# Altium PCB ha_light_switch.PcbDoc
Units mm, origin at the board's own origin, x right, y up, seen from the top; angles counter-clockwise.
Board outline 70.2 x 45.2 mm, 4 copper layers (Top Layer, Int1 (GND), Int2 (PWR), Bottom Layer), stack 1.585 mm thick; 44 components, 33 nets, 188 pads, 32 vias.
Unrouted connection lines stored in the file: 80.
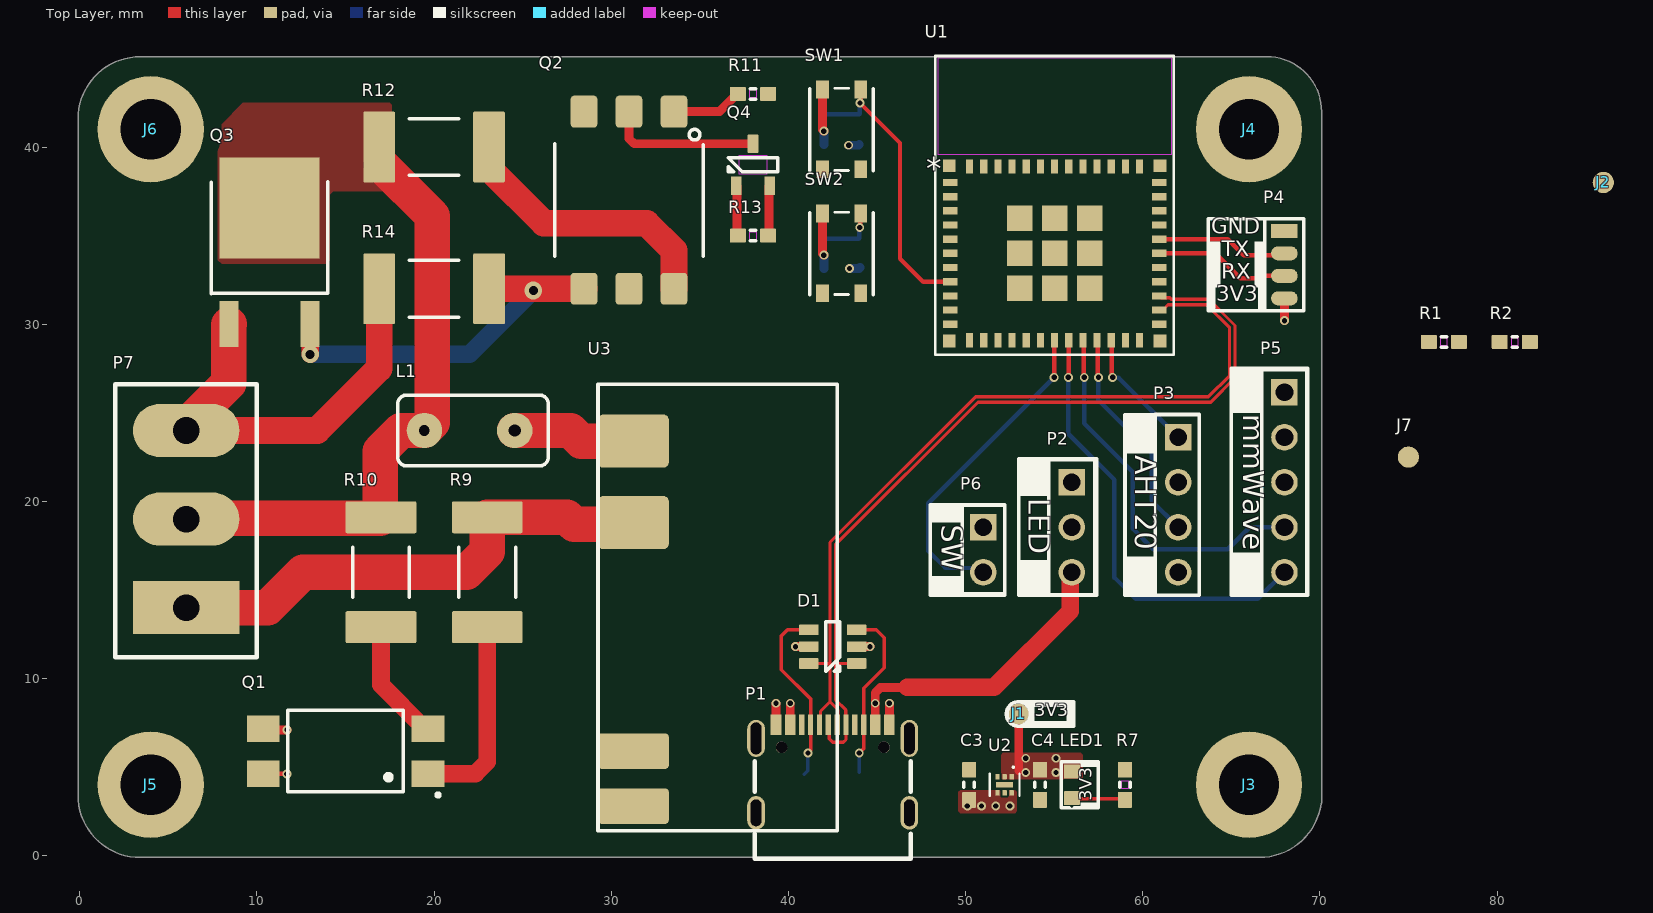
[diagram p0: Top Layer view]
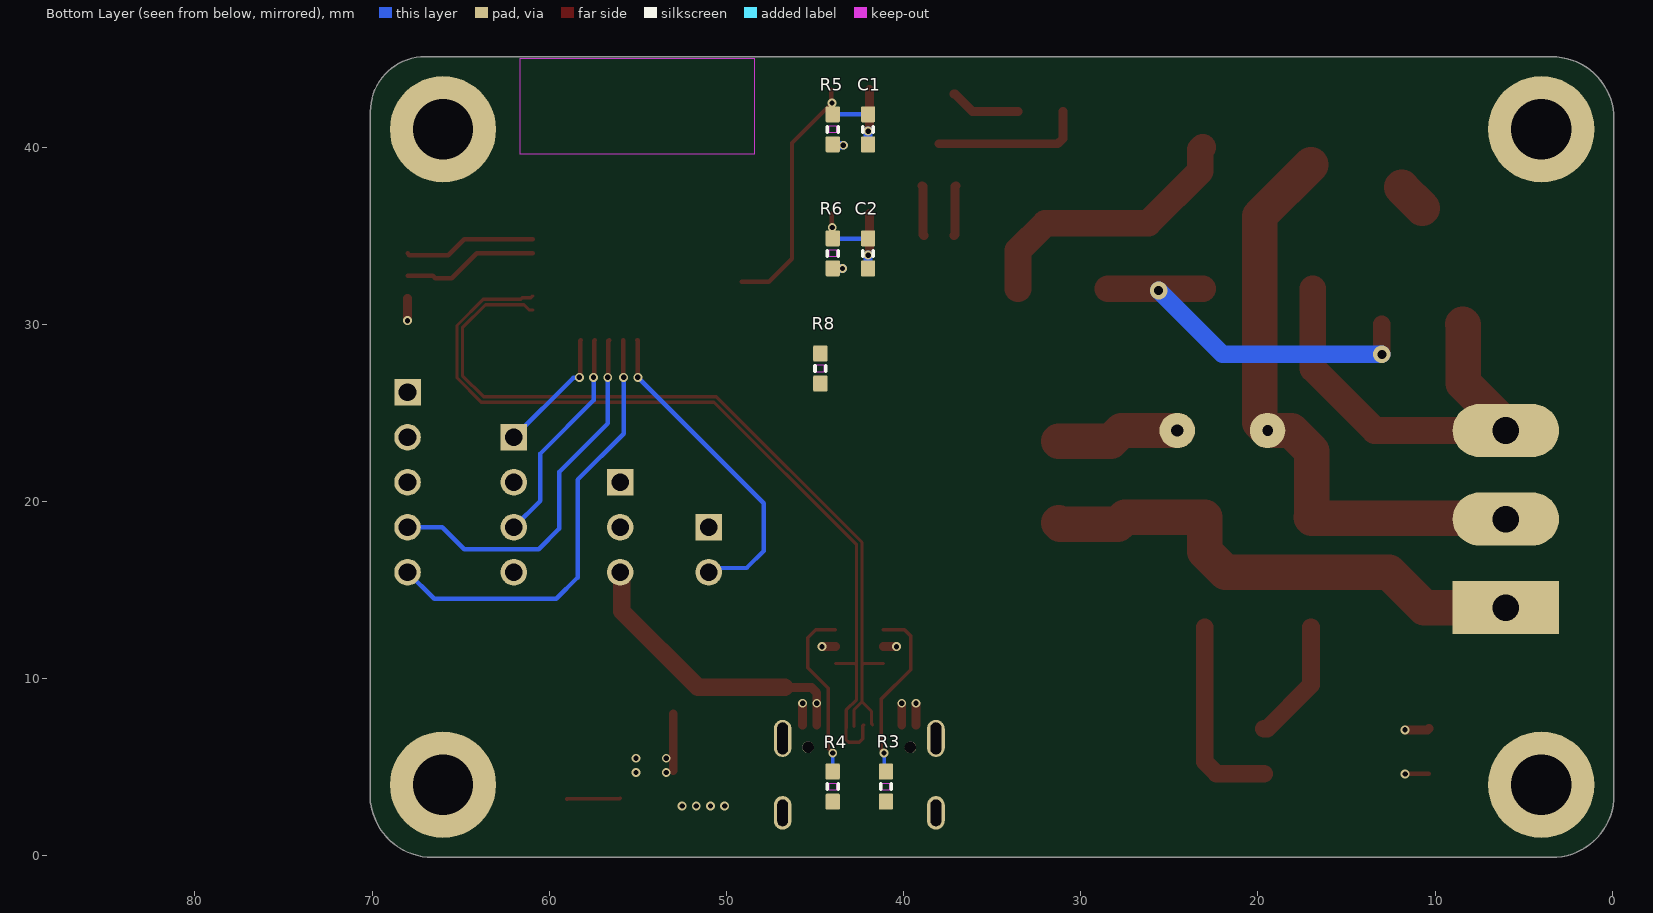
[diagram p1: Bottom Layer view, seen from below]
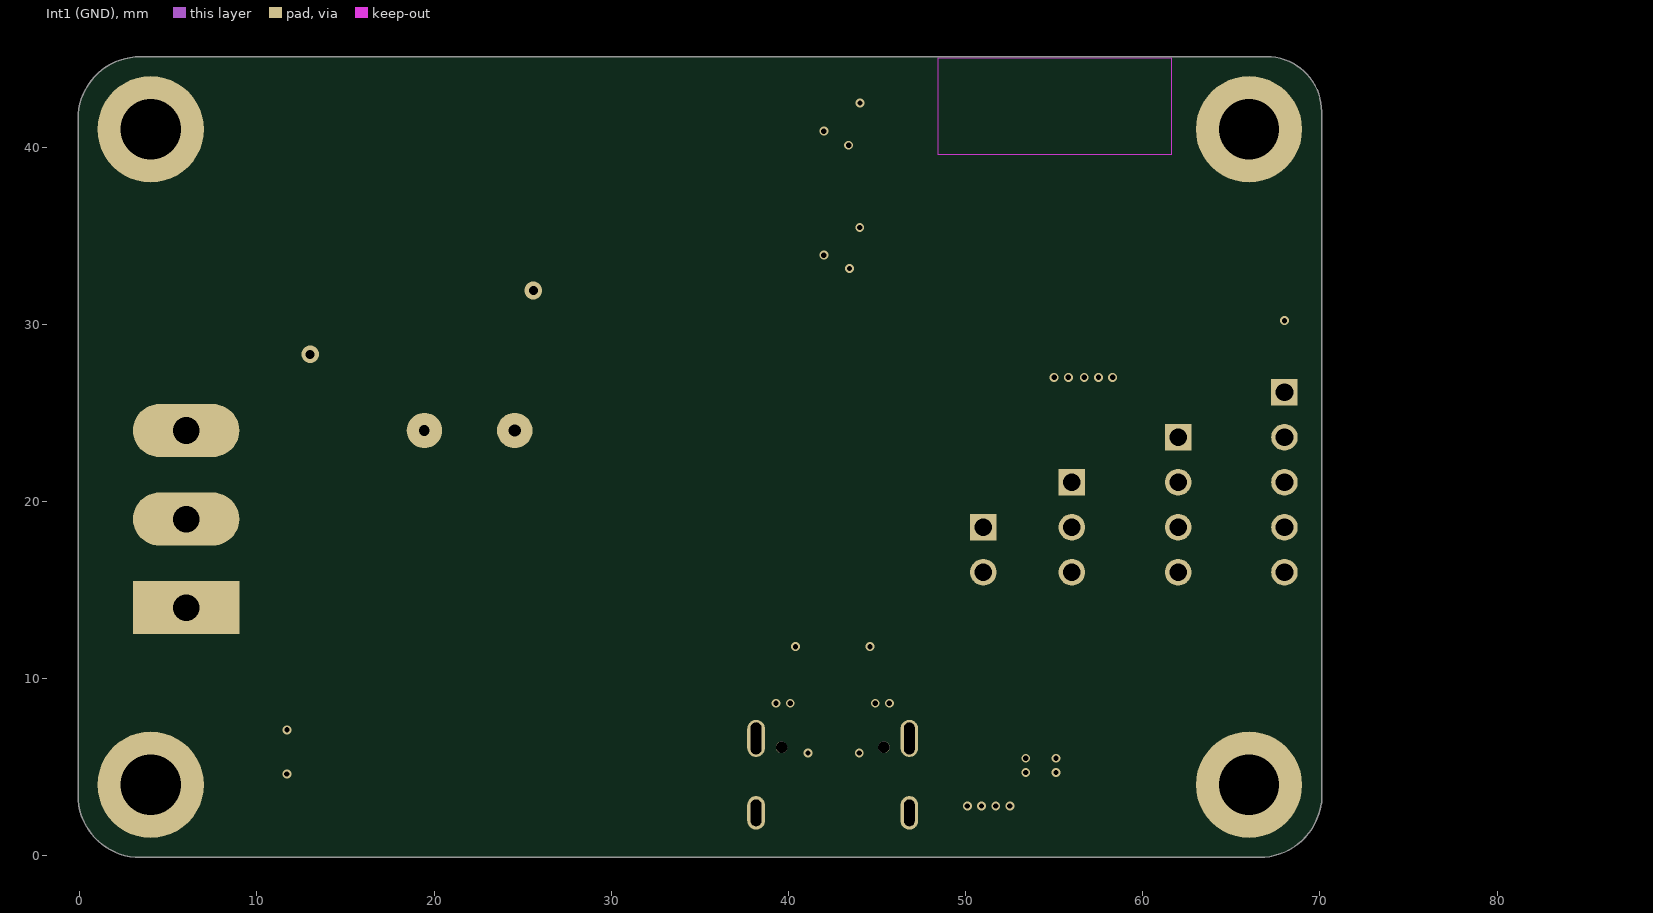
[diagram p2: Int1 (GND)]
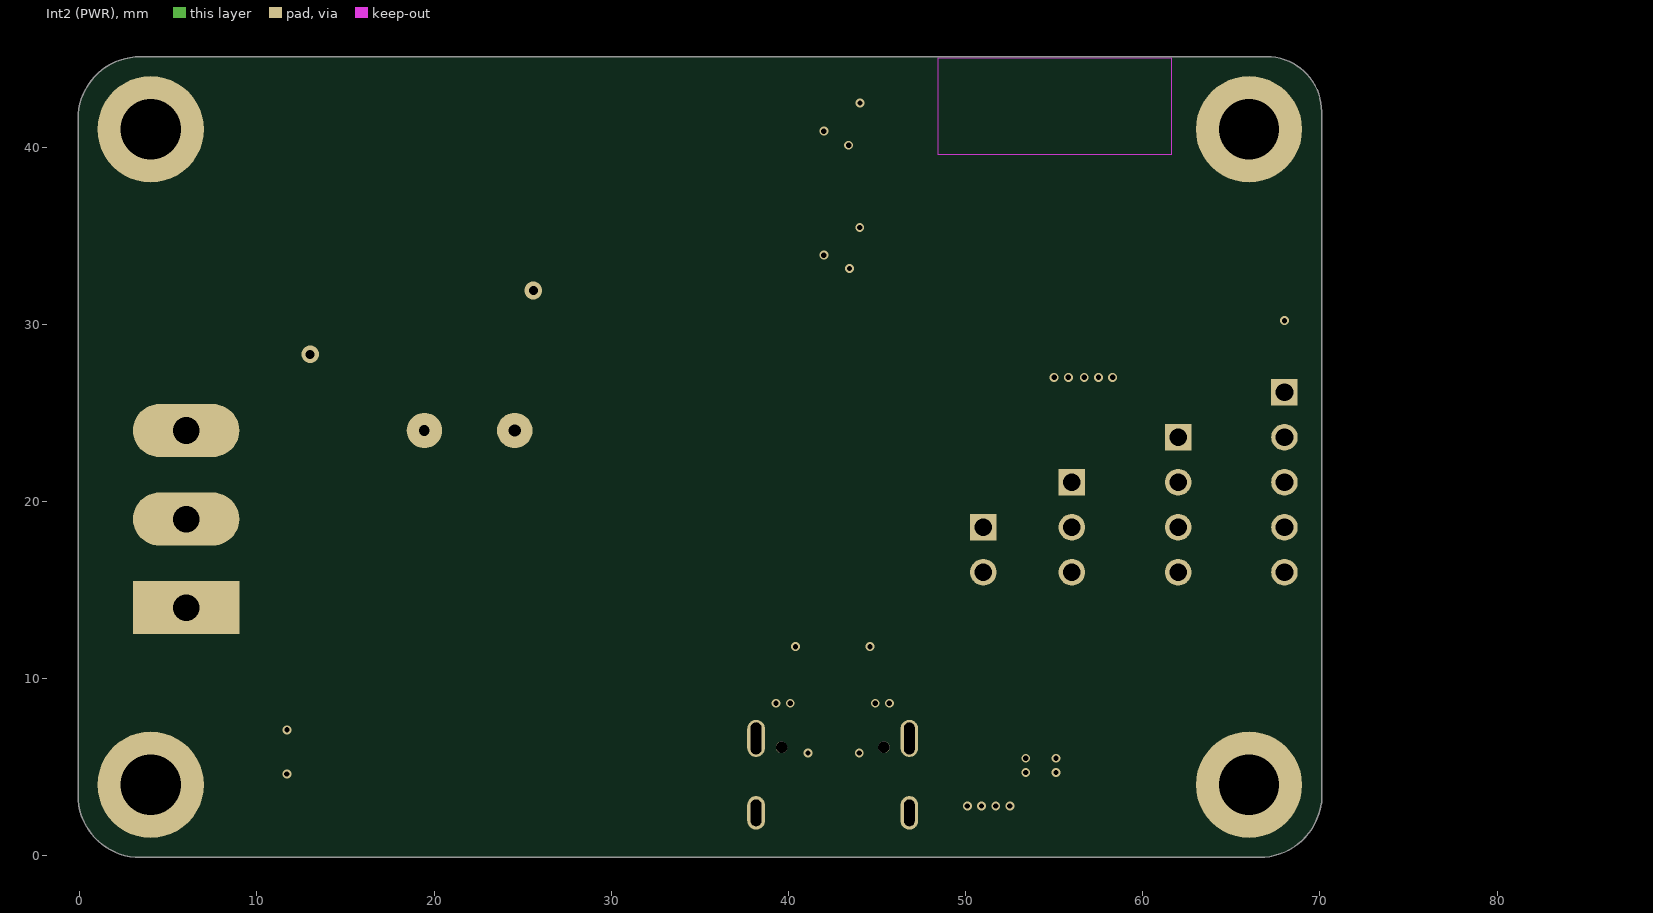
[diagram p3: Int2 (PWR)]
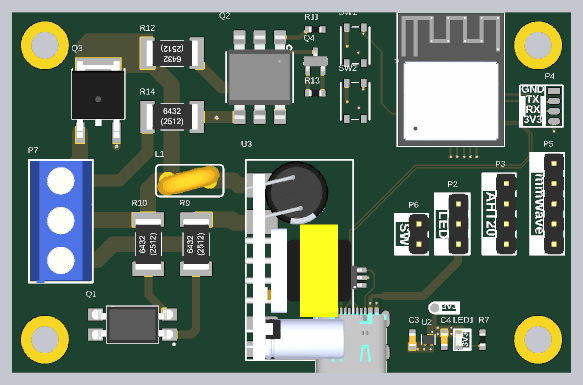
[diagram p4: 3D render of the assembled board from above, using the file's embedded part models]
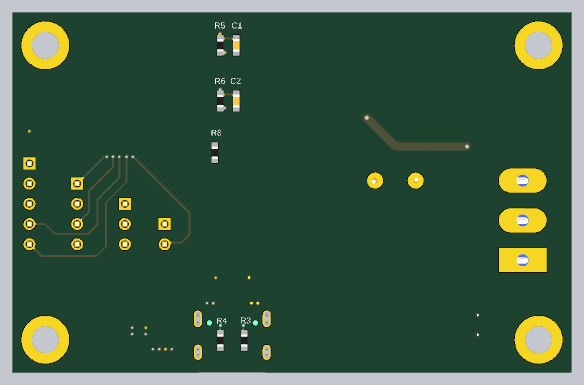
[diagram p5: 3D render of the assembled board from below, using the file's embedded part models]

## Layer stack, top to bottom
Top Solder: solder mask 0.035, SM-001, Dk 4
Top Layer: signal copper 0.035
Dielectric 2: prepreg 0.21, PP-017, Dk 4.6
Int1 (GND): signal copper 0.015
Dielectric 3: core 1.065, Core-039, Dk 4.6
Int2 (PWR): signal copper 0.015
Dielectric 4: prepreg 0.21, PP-017, Dk 4.6
Bottom Layer: signal copper 0.035
Bottom Solder: solder mask 0.035, SM-001, Dk 4

## Board outline
-0.1,3.414 -0.1,41.586 cw(c3.414,41.586) 3.414,45.1 67,45.1 cw(c67,42) 70.1,42 70.1,3 70.066,2.924 cw(c66.586,3.414) 66.586,-0.1 3.414,-0.1 cw(c3.414,3.414)

## Design rules (kind name [scope] priority, off if disabled: settings)
Clearance Clearance_Power [InNetClass('AC')] p1: gap=1 ignorepadtopadclearanceinfootprint=FALSE
Clearance Clearance_signal [All] p2: gap=0.125 ignorepadtopadclearanceinfootprint=FALSE
ComponentClearance [All] p1 off: gap=0.254 collisioncheckmode=3 verticalgap=0.254 showdistances=FALSE
DiffPairsRouting [InDifferentialPairClass('All Differential Pairs')] p1: maxlimit=0.254 minlimit=0.127 mostfreqgap=0.254 toplayer_maxgap=0.127 toplayer_prefgap=0.127 toplayer_minwidth=0.182 toplayer_maxwidth=0.182 toplayer_prefwidth=0.182 bottomlayer_maxgap=0.127 bottomlayer_prefgap=0.127 bottomlayer_minwidth=0.182 bottomlayer_maxwidth=0.182 bottomlayer_prefwidth=0.182 impedanceprofiledriven=TRUE impedanceprofileid={FA6609CF-BA32-4F74-B84B-CE5609EF71AF} impedanceprofilevalue=90.000000 maxuncoupledlength=12.7
HoleSize [All] p1 off: absolutevalues=TRUE maxlimit=2.54 minlimit=0.025 maxpercent=80.000 minpercent=20.000
MinimumSolderMaskSliver [All] p1 off: minsoldermaskwidth=0.254
PasteMaskExpansion [All] p1 off: expansion=0
PolygonConnect PolygonConnect_Power [InNetClass('Power')] p1: connectstyle=Direct reliefconductorwidth=0.254 reliefentries=4 polygonreliefangle="90 Angle" airgapwidth=0.254
PolygonConnect [All] p2: connectstyle=Direct reliefconductorwidth=0.254 reliefentries=4 polygonreliefangle="90 Angle" airgapwidth=0.254
RoutingVias [All] p1: holewidth=0.3 width=0.5 viastyle="Through Hole" minholewidth=0.15 minwidth=0.25 maxholewidth=1 maxwidth=1.3
SilkToSolderMaskClearance [IsPad] p1 off: minsilkscreentomaskgap=0.254 clearancetoexposedcopper=TRUE
SolderMaskExpansion [All] p1 off: expansion=0.102 istentingtop=FALSE
Width Width_Power(5A) [InNetClass('AC')] p1: maxlimit=3 minlimit=0.5 preferedwidth=2
Width Width_signal [All] p2: maxlimit=1 minlimit=0.1 preferedwidth=0.2 minimp=50.000000 maximp=50.000000 favimp=50.000000
24 further rules are at their usual default settings.

## Classes and differential pairs
net class LOW_POWER: +3.3 +5
component class ha_light_switch-power: L1 P7 Q1 Q2 Q3 Q4 R8 R9 R10 R11 R12 R13 R14 U3
component class ha_light_swich: C1 C2 C3 C4 D1 J1 J2 J3 J4 J5 J6 J7 LED1 P1 P2 P3 P4 P5 P6 R1 R2 R3 R4 R5 R6 R7 SW1 SW2 U1 U2
net class AC: AC_L AC_Load AC_N NetL1_2 NetQ2_4 NetQ2_6
differential pair USB: +USB_P -USB_N

## Components (designator, comment, footprint, x,y, rotation, side; value= is the part's Value field where it differs from the comment)
C1 "Capacitor-0603-1uF-25V-X5R" CAPACITOR-0603 42,41 r90 bottom value=1uF
C2 "Capacitor-0603-1uF-25V-X5R" CAPACITOR-0603 42,34 r90 bottom value=1uF
C3 "Capacitor-0603-1uF-25V-X5R" CAPACITOR-0603 50.2,4 r270 top value=1uF
C4 "Capacitor-0603-1uF-25V-X5R" CAPACITOR-0603 54.2,4 r90 top value=1uF
D1 "NUP4301MR6T1G" SOT-23-6 42.5,11.8 r90 top
J1 "hole" PAD-1.2MM-silk 53,8 r0 top
J2 "hole" PAD-1.2MM 86,38 r0 top
J3 "hole" HOLE-3.40MM-M3-8MMEYELET 66,4 r0 top
J4 "hole" HOLE-3.40MM-M3-8MMEYELET 66,41 r0 top
J5 "hole" HOLE-3.40MM-M3-8MMEYELET 4,4 r0 top
J6 "hole" HOLE-3.40MM-M3-8MMEYELET 4,41 r0 top
J7 "hole" PAD-1.2MM 75,22.5 r90 top
L1 "0ZRE0016FF1C" 0ZRE0016FF1C-PTC 22,24 r0 top
LED1 "3147-B1911NG--20D000214U1930CT-ND" LED-0603-2PIN-SILKSCREEN 56,4 r90 top
P1 "USB4105-GF-A" USB-C 42.5,4.9 r0 top
P2 "3pos-TH-2.54mm" HDR1X3 56,18.54 r270 top
P3 "4pos-TH-2.54mm" HDR1X4 62,19.81 r270 top
P4 "4pos-SMD-1.27mm" HDR1X4-SMD-50mils 68,33.365 r270 top
P5 "5pos-TH-2.54mm" HDR1X5 68,26.16 r270 top
P6 "2pos-TH-2.54mm" HDR1X2 51,17.27 r270 top
P7 "3pos-TH-5.0mm" "Weco 3" 6,14 r90 top
Q1 "LTV-814S" SMD-4-LTV814 15,6 r180 top
Q2 "MOC3022S-TA1" SMD-6 31,37 r180 top
Q3 "T405Q-600B-TR" TO-252-3/DPAK 10.714,36.55 r0 top
Q4 "DMG3402L-7" SOT-23-3 38,39 r0 top
R1 "SMT resistor" Resistor-0603 77,29 r0 top value=10k
R2 "SMT resistor" Resistor-0603 81,29 r0 top value=10k
R3 "Resistor-0603-5.1k" RESISTOR-0603 41,3.9 r90 bottom value=DNI
R4 "Resistor-0603-5.1k" RESISTOR-0603 44,3.9 r90 bottom value=DNI
R5 "SMT resistor" Resistor-0603 44,41 r270 bottom value=10k
R6 "SMT resistor" Resistor-0603 44,34 r270 bottom value=10k
R7 "SMT resistor" Resistor-0603 59,4 r270 top value=1k
R8 "SMT resistor" Resistor-0603 44.7,27.5 r270 bottom value=10k
R9 "SMT resistor" RESISTOR-2512 23,16 r90 top value=15k
R10 "SMT resistor" RESISTOR-2512 17,16 r90 top value=15k
R11 "SMT resistor" Resistor-0603 38,43 r0 top value=10k
R12 "SMT resistor" RESISTOR-2512 20,40 r180 top value=1k
R13 "SMT resistor" Resistor-0603 38,35 r0 top value=10k
R14 "SMT resistor" RESISTOR-2512 20,32 r0 top value=1k
SW1 "PTS815 SJM 250 SMTR LFS" "SW4_PTS815 SJM 250 SMTR LFS_CNK" 43,41 r0 top
SW2 "PTS815 SJM 250 SMTR LFS" "SW4_PTS815 SJM 250 SMTR LFS_CNK" 43,34 r0 top
U1 "ESP32-C3-MINI-1-H4" ESP32-C3-MINI-1_EXP 55.025,36.705 r0 top
U2 "NCP176AMX330TCG" "XFDFN-6 Exposed Pad" 52.2,4 r270 top
U3 "WX-DC12003" WX-DC12003 36,14 r90 top

## Footprints (in the part's own frame and the unit in brackets; to place one, negate y for a bottom-side part, rotate by r counter-clockwise, add the part's x,y. Pads: shape width x height; smd on the part's side, far side on the other; paste and mask are expansions set on the pad)
0ZRE0016FF1C-PTC [mm]
  round 2 hole 0.6: 1(-2.55,0)
  round 2 hole 0.7: 2(2.55,0)
  silkscreen extent -4.05,-2 4.45,2, body extent -4.13,-2.25 4.23,2.25, height 8.99
CAPACITOR-0603 [mm] "Metric 1608, EIA 0603. Per Yageo Product Specification V2.2"
  rrect15% 0.9x0.8 smd: 1(-0.85,0) 2(0.85,0)
  Top Layer pour cut-out: -0.2,0.2 0.2,0.2 0.2,-0.2 -0.2,-0.2
  silkscreen extent -0.15,-0.3 0.15,0.3, body extent -0.93,-0.41 0.93,0.41, height 0.81
ESP32-C3-MINI-1_EXP [mil]
  rect 32x16 smd paste+0 mask+0: 1(-232.28,50.98) 2(-232.28,19.48) 3(-232.28,-12.01) 4(-232.28,-43.51) 5(-232.28,-75) 6(-232.28,-106.5) 7(-232.28,-138) 8(-232.28,-169.49) 9(-232.28,-200.99) 10(-232.28,-232.48) 11(-232.28,-263.98) 25(232.28,-263.98) 26(232.28,-232.48) 27(232.28,-200.99) 28(232.28,-169.49) 29(232.28,-138) 30(232.28,-106.5) 31(232.28,-75) 32(232.28,-43.51) 33(232.28,-12.01) 34(232.28,19.48) 35(232.28,50.98)
  rect 16x32 smd paste+0 mask+0: 12(-188.98,-299.41) 13(-157.48,-299.41) 14(-125.98,-299.41) 15(-94.49,-299.41) 16(-62.99,-299.41) 17(-31.5,-299.41) 18(0,-299.41) 19(31.5,-299.41) 20(62.99,-299.41) 21(94.49,-299.41) 22(125.98,-299.41) 23(157.48,-299.41) 24(188.98,-299.41) 36(188.98,86.41) 37(157.48,86.41) 38(125.98,86.41) 39(94.49,86.41) 40(62.99,86.41) 41(31.5,86.41) 42(0,86.41) 43(-31.5,86.41) 44(-62.99,86.41) 45(-94.49,86.41) 46(-125.98,86.41) 47(-157.48,86.41) 48(-188.98,86.41)
  rect 57x57 smd: 49(0,-106.5) 54(77.76,-28.74) 55(77.76,-106.5) 56(77.76,-184.26) 57(0,-184.26) 58(-77.76,-184.26) 59(-77.76,-106.5) 60(-77.76,-28.74) 61(0,-28.74)
  rect 28x28 smd: 50(234.25,88.38) 51(234.25,-301.38) 52(-234.25,-301.38) 53(-234.25,88.38)
  Keep-Out Layer region: 260,327 -260,327 -260,114 260,114
  silkscreen extent -265,-332 265,332, body extent -259,-327 261,327, height 100
HDR1X2 [mm] "Connector; Header; 2 Position"
  rect 1.5x1.5 hole 1: 1(-1.27,0)
  round 1.5 hole 1: 2(1.27,0)
  silkscreen extent -2.5,-1.2 2.5,1.2, body extent -2.54,-1.27 2.54,1.27, height 8.54
HDR1X3 [mm] "Connector; Header; 2 Position"
  rect 1.5x1.5 hole 1: 1(-2.54,0)
  round 1.5 hole 1: 2(0,0) 3(2.54,0)
  silkscreen extent -3.8,-1.3 3.8,1.3, body extent -3.81,-1.27 3.81,1.27, height 8.54
HDR1X4 [mm] "Connector; Header; 2 Position"
  rect 1.5x1.5 hole 1: 1(-3.81,0)
  round 1.5 hole 1: 2(-1.27,0) 3(1.27,0) 4(3.81,0)
  silkscreen extent -5.1,-1.3 5.1,1.2, body extent -5.08,-1.27 5.08,1.27, height 8.54
HDR1X4-SMD-50mils [mm] "Connector; Header; 4 Positions 50mils"
  rect 0.8x1.5 smd: 1(-1.905,0)
  oval 0.8x1.5 smd: 2(-0.635,0) 3(0.635,0) 4(1.905,0)
  silkscreen extent -2.6,-1.1 2.6,1.1
HDR1X5 [mm] "Connector; Header; 2 Position"
  rect 1.5x1.5 hole 1: 1(0,0)
  round 1.5 hole 1: 2(2.54,0) 3(5.08,0) 4(7.62,0) 5(10.16,0)
  silkscreen extent -1.27,-1.27 11.43,1.27, body extent -1.27,-1.27 11.43,1.27, height 8.54
HOLE-3.40MM-M3-8MMEYELET [mm] "Hole 3.40mm with round pad for eyelet"
  round 6 hole 3.4: 1(0,0)
LED-0603-2PIN-SILKSCREEN [mm] "Metric 1608, EIA 0603. Per Yageo Product Specification V2.2"
  rrect15% 0.8x0.9 smd: 1(-0.75,0) 2(0.75,0)
  Top Layer pour cut-out: -0.35,0.45 0.35,0.45 0.35,-0.45 -0.35,-0.45
  silkscreen extent -1.35,-1.5 1.3,0.6, body extent -0.8,-0.4 0.8,0.4, height 0.8
PAD-1.2MM [mm] "Hole 0.53mm"
  round 1.2 smd paste-2539.97: 1(0,0)
PAD-1.2MM-silk [mm] "Hole 0.53mm"
  round 1.2 smd paste+0: 1(0,0)
  silkscreen extent -0.7,-0.7 3.1,0.7
Resistor-0603 [mm] "Metric 1608, EIA 0603 Drawn per Yageo \"Chip resistors Mounting\" rev 10"
  rrect15% 0.9x0.8 smd: 1(-0.85,0) 2(0.85,0)
  Top Layer pour cut-out: -0.2,0.2 0.2,0.2 0.2,-0.2 -0.2,-0.2
  Top Layer keep-out region: -0.2,-0.2 0.2,-0.2 0.2,0.2 -0.2,0.2
  silkscreen extent -0.15,-0.3 0.15,0.3, body extent -0.8,-0.4 0.8,0.4, height 0.55
RESISTOR-0603 [mm] "Metric 1608, EIA 0603 Drawn per Yageo \"Chip resistors Mounting\" rev 10"
  rrect15% 0.9x0.8 smd: 1(-0.85,0) 2(0.85,0)
  Top Layer pour cut-out: -0.2,0.2 0.2,0.2 0.2,-0.2 -0.2,-0.2
  Top Layer keep-out region: -0.2,0.2 0.2,0.2 0.2,-0.2 -0.2,-0.2
  silkscreen extent -0.15,-0.3 0.15,0.3, body extent -0.8,-0.4 0.8,0.4, height 0.55
RESISTOR-2512 [mm] "Metric 6432, EIA 2512 Drawn per Yageo \"Chip resistors Mounting\" rev 10"
  rrect10% 1.8x4 smd: 1(-3.1,0) 2(3.1,0)
  Top Layer pour cut-out: -2.3,2 2.3,2 2.3,-2 -2.3,-2
  silkscreen extent -1.4,-1.6 1.4,1.6, body extent -3.2,-1.6 3.2,1.6, height 0.6
SMD-4-LTV814 [mm]
  rect 1.85x1.5 smd: 1(-4.65,1.37) 2(-4.65,-1.17) 3(4.65,-1.17) 4(4.65,1.37)
  silkscreen extent -5.32,-2.2 3.25,2.67, body extent -5.08,-2.2 5.08,2.4, height 4.5
SMD-6 [mm] "6-SMD, L-Bend, from IXYS LCB710S datasheet"
  rrect25% 1.5x1.8 smd: 1(-2.54,-5) 2(0,-5) 3(2.54,-5) 4(2.54,5) 5(0,5) 6(-2.54,5)
  silkscreen extent -4.2,-4 4.2,3.18, body extent -3.9,-5.23 3.9,5.23, height 4.35
SOT-23-3 [mm] "SOT23-3, from TI DBZ (R-PDSO-G3)"
  rrect15% 0.6x1.05 smd: 1(-0.95,-1.185) 2(0.95,-1.185) 3(0,1.185)
  Top Layer keep-out region: -0.8,-0.5 0.8,-0.5 0.8,0.5 -0.8,0.5
  silkscreen extent -1.4,-0.4 1.4,0.4, body extent -1.45,-1.21 1.45,1.21, height 0.98
SOT-23-6 [mm] "SOT23-6, from TI DDC (R-PDSO-G6)"
  rrect15% 0.6x1.1 smd: 1(-0.95,-1.35) 2(0,-1.35) 3(0.95,-1.35) 4(0.95,1.35) 5(0,1.35) 6(-0.95,1.35)
  silkscreen extent -1.4,-0.4 1.4,0.4, body extent -1.5,-1.37 1.5,1.38, height 1.1
"SW4_PTS815 SJM 250 SMTR LFS_CNK" [mm]
  rect 0.711x0.991 smd paste+0: 1(1.075,2.25) 2(1.075,-2.25) 3(-1.075,2.25) 4(-1.075,-2.25)
  silkscreen extent -1.8,-2.35 1.8,2.32, body extent -1.83,-2.32 1.83,2.32, height 3
TO-252-3/DPAK [mm] "TO-252-3, DPak (2 Leads + Tab), SC-63"
  rect 1.06x2.6 smd: 1(-2.286,-6.55) 3(2.286,-6.55)
  rect 5.632x5.7 smd: 2(0,0)
  silkscreen extent -3.29,-4.83 3.29,1.5, body extent -3.29,-7.23 3.29,2.47, height 2.3
USB-C [mm]
  oval 1x1.9 hole 0.6 slot 1.5 at 90 deg: 13(-4.325,-2.481) 13(4.325,-2.481)
  oval 1x2.1 hole 0.6 slot 1.8 at 90 deg: 13(-4.325,1.719) 13(4.325,1.719)
  rect 0.6x1.15 smd mask+0.08: A1B12(-3.2,2.481) A4B9(-2.4,2.481) B1A12(3.2,2.481) B4A9(2.4,2.481)
  rect 0.3x1.15 smd mask+0.08: A5(-1.25,2.481) A6(-0.25,2.481) A7(0.25,2.481) A8(1.25,2.481) B5(1.75,2.481) B6(0.75,2.481) B7(-0.75,2.481) B8(-1.75,2.481)
  round 0.65 hole 0.65 unplated: ""(-2.89,1.219) ""(2.89,1.219)
  silkscreen extent -4.4,-5.08 4.4,0.44, body extent -4.47,-5.08 4.47,2.52, height 3.28
"Weco 3" [mm]
  rect 3x6 hole 1.5: 1(0,0)
  oval 3x6 hole 1.5: 2(5,0) 3(10,0)
  silkscreen extent -2.79,-4 12.6,4, body extent -2.87,-3.9 12.46,3.9, height 10.18
WX-DC12003 [mm]
  rrect20% 3x4 smd: 1(9.4,4.75) 2(4.8,4.75)
  rrect20% 2x4 smd: 3(-8.1,4.75) 4(-11.2,4.75)
  silkscreen extent -12.6,-6.75 12.6,6.75, body extent -12.67,-6.45 12.47,6.85, height 18.55
"XFDFN-6 Exposed Pad" [mm]
  rrect25% 0.31x0.25 smd: 1(-0.455,0.4) 2(-0.455,0) 3(-0.455,-0.4) 4(0.455,-0.4) 5(0.455,0) 6(0.455,0.4)
  rect 0.3x0.94 smd paste-1: 7(0,0)
  silkscreen extent -1.05,-0.84 0.63,0.84, body extent -0.62,-0.62 0.62,0.62, height 0.46

## Part data
C1 C2 C3 C4: Package / Case="Metric 1608, EIA 0603", Supplier Part Number 1=1276-1859-2-ND, Volt=25V, Mounted=Yes, Precision=X5R-10%, Supplier 1=Digi-Key, Supplier 2=Digi-Key, Supplier Part Number 2=1276-1942-2-ND
D1: "4CH Clamp Ipp Tvs Diode Surface Mount SOT23-6 (SC74)", Package / Case=SOT23-6, Supplier Part Number 1=NUP4301MR6T1GOSTR-ND, Volt=70, Mounted=Yes, Supplier 1=Digi-Key
J1 J2 J7: library part "PAD 1.2mm", Mounted=N/A
J3 J4 J5 J6: library part "Hole 3.40mm M3-Eyelet", "Hole for M3 Bolt with 8mm pad", Mounted=N/A
L1: "PTC RESET FUSE 240V 160MA RADIAL", Current=5A, Package / Case=SMD, Supplier Part Number 1=308-2498-1-ND, Mounted=Yes, Precision=20%, Supplier 1=Digi-Key
LED1: library part LED_GREEN, "LED GREEN DIFFUSED 0603 SMD", Package / Case="0603 (1608 Metric)", Mounted=Yes, Supplier 1=Digi-Key, Supplier Part Number 1=3147-B1911NG--20D000214U1930CT-ND
P1: "CONN RCP USB2.0 TYP C 24P SMD RA / 5A", Package / Case=SMD, Supplier Part Number 1=2073-USB4105-GF-ACT-ND, Volt=N/A, Mounted=Yes, Supplier 1=Digikey
P2: "3pos TH 2.54mm Header", Package / Case=TH, Supplier Part Number 1=N/A, Mounted=Yes, Supplier 1=Digi-Key, Volt=N/A
P3: "4pos TH 2.54mm Header", Package / Case=TH, Supplier Part Number 1=N/A, Mounted=Yes, Supplier 1=Digi-Key, Volt=N/A
P4: "4pos SMD 1.27mm", Package / Case=TH, Supplier Part Number 1=N/A, Mounted=Yes, Supplier 1=Digi-Key, Volt=N/A
P5: "5pos TH 2.54mm Header", Package / Case=TH, Supplier Part Number 1=N/A, Mounted=Yes, Supplier 1=Digi-Key, Volt=N/A
P6: "2pos TH 2.54mm Header", Package / Case=TH, Supplier Part Number 1=N/A, Mounted=Yes, Supplier 1=Digi-Key, Volt=N/A
P7: library part 3P-TH-5.0mm, "3pos-TH-5.0mm Screw Terminal", Package / Case=TH, Supplier Part Number 1=277-1667-ND, Volt=N/A, Mounted=Yes, Supplier 1=Digi-Key
Q1: "Optoisolator Transistor Output 5000Vrms 1 Channel 4-SMD", Package / Case=4-SMD, Supplier Part Number 1=160-LTV-814S-TA1-ACT-ND, Mounted=Yes, Supplier 1=Digi-Key
Q2: "OPTOISOLATOR 5KV TRIAC 6SMD", Package / Case=6-SMD, Supplier Part Number 1=160-2046-1-ND, Mounted=Yes, Supplier 1=Digi-Key
Q3: "TRIAC SENS GATE 600V 4A DPAK", Current=4A, Package / Case=TO-252-3, Supplier Part Number 1=497-2501-1-ND, Volt=600V, Mounted=Yes, Supplier 1=Digi-Key
Q4: "N-Channel 30 V 4A (Ta) 1.4W (Ta) Surface Mount SOT-23-3", Current=4A, Package / Case=SOT-23-3, Supplier Part Number 1=DMG3402L-7DICT-ND, Volt=30V, Mounted=Yes, Supplier 1=Digi-Key
R1 R2 R5 R6: library part Resistor0603-10k, "Resistor0603-10k", Package / Case="Metric 1608, EIA 0603", Supplier Part Number 1=311-10.0KHRTR-ND, Mounted=Yes, Precision=1%, Supplier 1=Digi-Key, Supplier 2=Digi-Key, Supplier 3=Digi-Key, Supplier 4=Digi-Key, Supplier Part Number 2=RMCF0603FT10K0TR-ND, Watt=0.1W
R3 R4: library part Resistor-0603-DNI, "0603 footprint DO NOT INSTALL", Package/Case="Metric 1608 , EIA 0603", Mounted=Yes
R7: library part Resistor0603-1k, "Resistor0603-1k", Package / Case="Metric 1608, EIA 0603", Supplier Part Number 1=RMCF0603FT1K00TR-ND, Mounted=Yes, Precision=1%, Supplier 1=Digi-Key, Supplier 2=Digi-Key, Supplier 3=Digi-Key, Supplier 4=Digi-Key, Supplier Part Number 2=311-1.00KHRTR-ND, Supplier Part Number 3=AG1307TR-ND, Watt=0.1W
R8 R11 R13: library part Resistor-0603-10k, "Resistor0603-10k", Package / Case="Metric 1608, EIA 0603", Supplier Part Number 1=311-10.0KHRTR-ND, Mounted=Yes, Precision=1%, Supplier 1=Digi-Key, Watt=0.1W
R9 R10: library part Resistor-2512-15k, "Resistor-2512-15k", Package / Case="Metric 6432,  EIA 2512", Supplier Part Number 1=541-15.0KAFCT-ND, Mounted=Yes, Precision=1%, Supplier 1=Digi-Key, Watt=1W
R12 R14: library part Resistor-2512-1k, "Resistor-2512-1k", Package / Case="Metric 6432,  EIA 2512", Supplier Part Number 1=541-1.00KAFCT-ND, Mounted=Yes, Precision=1%, Supplier 1=Digi-Key, Watt=1W
SW1 SW2: "TACT 4.2 X 3.2, 2.5 MM H, 180GF,", Current=0.05A, Supplier Part Number 1=CKN12215-1-ND, Volt=12V, Mounted=Yes, Supplier 1=Digi-Key
U1: library part ESP32-C3-MINI-1-N4, "Bluetooth, WiFi 802.11b/g/n, Bluetooth v5.0 Transceiver Module 2.412GHz ~ 2.484GHz PCB Trace Surface Mount", Mfr_Name="Espressif Systems", Copyright="Copyright (C) 2023 Ultra Librarian. All rights reserved.", Datasheet=https://www.espressif.com/sites/default/files/documentation/esp32-c3-mini-1_datasheet_en.pdf, Manufacturer_Part_Number=ESP32-C3-MINI-1-N4, RefDes=RefDes, Type=Type
U2: "IC REG LINEAR 3.3V 500mA 6-XDFN", Package / Case=6-XDFN, Supplier Part Number 1=NCP176AMX330TCGOSCT-ND, HelpURL=https://www.onsemi.com/pdf/datasheet/ncp176-d.pdf, Mounted=Yes, Supplier 1=Digi-Key
U3: "AC/DC Isolated converter. 50-277AC -> 5Vdc", Grade=None, HelpURL=https://www.aerial.net/shop/product/54_250/2321/85265v-ac-to-5v.html, Supplier 1=Aliexpress, Supplier Part Number 1=WX-DC12003

## Via types
v1: diameter 0.5, hole 0.3, Top Layer to Bottom Layer, tented both sides, 30 vias
v2: diameter 1, hole 0.5, Top Layer to Bottom Layer, tented both sides, 2 vias

## Nets (pads, with @x,y where several pads share a name; then routed paths per layer and width w, separated by ;. In a path a pad name is that pad's centre, name@x,y a point inside that pad or via, vN(x,y) a via of type N, cw(c..) or ccw(c..) an arc to the next point about the centre after c; other vN are vias at no path point)
+3.3: C4.2 J1.1 LED1.2 P3.4 P4.4 P5.1 R1.2 R2.2 R5.2 R6.2 R8.2 R11.2 U1.3 U2.1 U2.2 | length 5.7
  Top Layer w0.5: 53,4.8 J1.1 ; v1(68,30.2) P4.4
  Bottom Layer w0.5: v1(43.4,40.1) 43.95,40.1 R5.2 ; v1(43.45,33.15) R6.2 R6.2@44.05,33.2
  other v1: 53.4,4.7 55.1,4.7 53.4,5.5 55.1,5.5
+5: C3.2 D1.5 P1.A4B9 P1.B4A9 P2.3 U2.4 U2.6 U3.3 | length 18.8
  Top Layer w0.5: P1.A4B9 v1(40.1,8.6) ; v1(40.4,11.8) D1.5 ; P1.B4A9 v1(44.9,8.6) ; v1@44.9,8.7 44.9,9.2 45.2,9.5 46.7,9.5
  Top Layer w1: 46.7,9.5 51.6,9.5 55.904,13.804 55.904,15.904 P2.3
  other v1: 50.1,2.8 50.9,2.8 51.7,2.8 52.5,2.8
AC_L: L1.1 P7.2 Q3.2 R10.2 R12.2 | length 35.8
  Top Layer w2: P7.2 6.05,19.05 R10.2@16.95,19.05 ; Q3.2 Q3.2@11.886,37.722 ; R10.2 R10.2@16.95,19.05 ; R12.2@17,39 19.9,36.1 19.9,24.45 L1.1 18.122,24 16.95,22.828 R10.2@16.95,19.05
AC_Load: P7.3 Q3.1 R14.1 | length 23.9
  Top Layer w1.5: P7.3 13.4,24 16.9,27.5 R14.1
  Top Layer w2: P7.3 6,24.271 8.4,26.671 8.4,29.972 Q3.1
AC_N: P7.1 R9.2 U3.2 | length 28.7
  Top Layer w2: P7.1 10.6,14 12.6,16 21.828,16 23,17.172 R9.2 27.5,19.1 27.9,18.7 31.15,18.7 U3.2
CC1: D1.4 P1.A5 R3.2 | length 10.3
  Top Layer w0.2: v1(41.1,5.8) 41.25,5.95 P1.A5 41.25,8.85 39.6,10.5 39.6,12.4 39.95,12.75 D1.4
  Bottom Layer w0.2: R3.2@40.9,4.6 41.1,4.8 v1(41.1,5.8)
CC2: D1.3 P1.B5 R4.2 | length 9.9
  Top Layer w0.2: D1.3 44.95,12.75 45.4,12.3 45.4,10.6 44.25,9.45 P1.B5 44.25,6.05 v1(44,5.8)
  Bottom Layer w0.2: R4.2@44,4.7 R4.2 v1(44,5.8)
EN: C1.2 R5.1 SW1.1 U1.8 | length 16.5
  Top Layer w0.25: SW1.1 44.075,42.516 v1(44.045,42.485) 46.3,40.23 46.3,33.7 47.6,32.4 U1.8
  Bottom Layer w0.25: C1.2 R5.1 44.022,41.872 44.022,42.463 v1(44.045,42.485)
GND: C1.1 C2.1 C3.1 C4.1 D1.2 J3.1 J4.1 J5.1 J6.1 P1.13 P1.A1B12 P1.B1A12 P2.1 P3.2 P4.1 P5.2 P6.1 Q1.3 Q4.2 R3.1 R4.1 R7.1 R13.2 SW1.3 SW2.3 U1.1 U1.2 U1.11 U1.14 U1.36 U1.37 U1.38 U1.39 U1.40 U1.41 U1.42 U1.43 U1.44 U1.45 U1.46 U1.47 U1.48 U1.49 U1.50 U1.51 U1.52 U1.53 U1.54 U1.55 U1.56 U1.57 U1.58 U1.59 U1.60 U1.61 U2.3 U2.7 U3.4 | length 13.7
  Top Layer w0.5: Q1.3 10.42,7.1 v1(11.7,7.1) ; R13.2 38.9,35.05 38.9,37.765 Q4.2 ; P1.A1B12 v1(39.3,8.6) ; SW2.3 41.925,33.975 v1(42,33.9) ; SW1.3 41.925,40.975 v1(42,40.9) ; D1.2 v1(44.6,11.8) ; P1.B1A12 v1(45.7,8.6)
  Bottom Layer w0.5: C2.1 v1(42,33.9) ; C1.1 v1(42,40.9)
IO9: C2.2 R6.1 SW2.1 U1.23 | length 3.4
  Top Layer w0.25: v1(44.022,35.463) 44.053,35.493 SW2.1@44.053,36.228
  Bottom Layer w0.25: C2.2@41.978,34.828 43.978,34.828 R6.1 44,35.441 v1(44.022,35.463)
mmWave_out: J2.1 P5.3
mmWave_rx: P5.4 U1.20 | length 21.4
  Top Layer w0.25: U1.20 56.663,29.062 56.663,27.037 v1(56.7,27)
  Bottom Layer w0.25: v1(56.7,27) 56.7,24.4 59.437,21.663 59.437,18.463 60.6,17.3 64.8,17.3 66.04,18.54 P5.4
mmWave_tx: P5.5 U1.19 | length 25.2
  Top Layer w0.25: v1(55.8,27) 55.825,27.025 U1.19
  Bottom Layer w0.25: v1(55.8,27) 55.8,23.816 58.4,21.216 58.4,15.7 59.6,14.5 66.5,14.5 P5.5
neopixel: P2.2 U1.6
NetJ7_1: J7.1 U1.12
NetL1_2: L1.2 U3.1 | length 6.9
  Top Layer w2: L1.2 27.7,24 28.3,23.4 U3.1
NetLED1_1: LED1.1 R7.2 | length 3
  Top Layer w0.2: LED1.1 56.025,3.225 58.975,3.225 R7.2@59,3.2
NetQ1_1: Q1.1 R9.1 | length 11.2
  Top Layer w1: Q1.1 22.33,4.63 23,5.3 R9.1
NetQ1_2: Q1.2 R10.1 | length 6.9
  Top Layer w1: R10.1 17,9.645 19.475,7.17 Q1.2
NetQ2_1: Q2.1 R11.1 | length 4
  Top Layer w0.5: Q2.1 36.1,42 37.1,43 R11.1
NetQ2_2: Q2.2 Q4.3 | length 8.6
  Top Layer w0.5: Q2.2 31,40.478 31.293,40.185 Q4.3
NetQ2_4: Q2.4 Q3.3 R14.2 | length 21.2
  Top Layer w1: v2(13,28.3) Q3.3
  Top Layer w1.5: R14.2 Q2.4
  Bottom Layer w1: v2(13,28.3) 22,28.3 v2(25.6,31.9)
NetQ2_6: Q2.6 R12.1 | length 15.7
  Top Layer w1.5: R12.1 23.25,39.85 23.25,38.65 26.2,35.7 32,35.7 33.54,34.16 Q2.6
NetR2_1: R2.1 U1.5
RX: P4.3 U1.30 | length 7.7
  Top Layer w0.25: U1.30 64.1,34 65.5,32.6 66.436,32.6 66.566,32.73 P4.3
SCL: P3.1 R1.1 U1.22 | length 7.2
  Top Layer w0.25: U1.22 58.262,29.062 58.262,27.037 v1(58.3,27)
  Bottom Layer w0.25: v1(58.3,27) 58.332,26.968 58.652,26.968 P3.1
SDA: P3.3 U1.21 | length 12.5
  Top Layer w0.25: U1.21 57.462,29.063 57.462,27.037 v1(57.5,27)
  Bottom Layer w0.25: v1(57.5,27) 57.5,25.7 60.5,22.7 60.5,20.04 P3.3
switch: P6.2 U1.18 | length 18.4
  Top Layer w0.25: v1(55,27) 55.012,27.012 55.012,29.087 U1.18
  Bottom Layer w0.25: P6.2 50.761,16.239 48.861,16.239 47.9,17.2 47.9,19.9 v1(55,27)
triac: Q4.1 R13.1 U1.16 | length 2.9
  Top Layer w0.5: Q4.1 37.1,37.765 37.1,35.05 R13.1
TX: P4.2 U1.31 | length 7.5
  Top Layer w0.25: U1.31 64.8,34.8 65.7,33.9 67.9,33.9 P4.2
USB_N: D1.6 P1.A7 P1.B7 U1.26 | length 47.2
  Top Layer w0.182: D1.6 42.239,10.85 42.346,10.744 ; P1.B7 41.809,7.441 41.809,8.146 42.346,8.682 ; P1.A7@42.791,7.3 42.799,7.308 42.799,8.229 42.346,8.682 ; U1.26 61.128,30.8 61.428,31.1 63.6,31.1 64.9,29.8 64.9,27.1 63.709,25.909 50.572,25.909 42.346,17.682 42.346,10.744 ; 42.346,8.682 42.346,10.179 42.346,10.744
USB_P: D1.1 P1.A6 P1.B6 U1.27 | length 48.9
  Top Layer w0.182: P1.A6 42.3,7.331 42.3,6.6 42.5,6.4 43.1,6.4 43.25,6.55 P1.B6 ; P1.B6@43.243,7.217 43.235,7.225 43.235,8.229 42.654,8.81 42.654,10.051 42.654,10.744 ; D1.1 42.761,10.85 42.654,10.744 ; U1.27 61.037,31.488 61.521,31.488 61.6,31.409 63.728,31.409 65.209,29.928 65.209,26.972 63.836,25.6 50.7,25.6 42.654,17.554 42.654,10.744
zero_crossing: Q1.4 R8.1 U1.13 | length 1.3
  Top Layer w0.25: Q1.4 11.67,4.63 v1(11.687,4.613)
pads on no net: P1. P1.A8 P1.B8 Q2.3 Q2.5 SW1.2 SW1.4 SW2.2 SW2.4 U1.4 U1.7 U1.9 U1.10 U1.15 U1.17 U1.24 U1.25 U1.28 U1.29 U1.32 U1.33 U1.34 U1.35 U2.5

## Polygon pours and split planes (outlines as drawn)
+3.3 on Top Layer "+3.3_L01_P002" (solid, remove dead copper, pour order 2): 56.5,4.3 56.6,4.4 56.6,5.7 56.5,5.8 52.1,5.8 52,5.7 52,4.4 52.1,4.3
+5 on Top Layer "+5_L01_P001" (solid, remove dead copper, pour order 1): 52.8,2.4 52.9,2.5 52.9,3.6 52.8,3.7 49.7,3.7 49.6,3.6 49.6,2.5 49.7,2.4
AC_L on Top Layer "AC_L_L01_P000" (solid, remove dead copper, pour order 0): 17.4,37.5 17.6,37.7 17.6,42.4 17.5,42.5 9.2,42.5 7.8,41.1 7.8,33.6 8,33.4 13.9,33.4 14.1,33.6 14.1,37.3 14.3,37.5

## Other copper
Top Layer:
  text "1-TOP" at 136.8,48.9 h2.5
Int1 (GND):
  text "2-GND1" at 136.8,44.545 h2.5
Int2 (PWR):
  text "3-PWR1" at 136.8,40.191 h2.5
Bottom Layer:
  text "4-BOTTOM" at 136.8,35.836 h2.5

## Silkscreen, mask and mechanical layers (free items; w line width, h text height)
Top Overlay:
  region: 64.1,34.665 63.7,34.665 63.7,30.765 64.1,30.765
  region: 64.4,34.665 63.9,34.665 63.9,32.065 64.4,32.065
  region: 66.9,34.665 66.5,34.665 66.5,30.765 66.9,30.765
  region: 66.6,34.665 66.3,34.665 66.3,32.065 66.6,32.065
  rectangle: 65,25 66.7,27.5
  rectangle: 65,14.7 66.7,17.1
  rectangle: 59,22.7 60.7,24.9
  rectangle: 59,14.7 60.7,16.9
  rectangle: 53,14.7 54.7,16.7
  rectangle: 53,20.3 54.7,22.4
  rectangle: 48,14.7 49.8,15.8
  rectangle: 48,18.8 49.8,19.8
  rectangle: 53.6,7.5 53.9,8.5
  rectangle: 55.7,7.5 56.1,8.5
  lines w0.2: 53,22.4 53,14.7 56.4,14.7 57.4,14.7 57.4,22.4 53.025,22.4 ; 62.4,14.7 59,14.7 59,24.9 63.2,24.9 ; 67,35.965 63.7,35.965 63.7,30.765 67.2,30.765 ; 48,14.7 48,19.8 52.2,19.8 52.2,14.7 51.6,14.7 48,14.7 ; 65,14.7 65,27.5 69.3,27.5 69.3,14.7 67.8,14.7 65,14.7
  text "GND" at 63.876,34.79 h1.5
  text "TX" at 64.46,33.52 h1.5
  text "RX" at 64.419,32.25 h1.5
  text "TOP SILKSCREEN" at 136.8,31.482 h2.5
  text "3V3" at 64.162,30.987 h1.5
  text "mmWave" at 65.271,24.913 h2 r270
  text "AHT20" at 59.169,22.597 h2 r270
  text "LED" at 53.16,20.174 h2 r270
  text "SW" at 48.261,18.676 h2 r270
Bottom Overlay:
  text "BOTTOM SILKSCREEN" at 136.8,27.127 h2.5
Top Paste:
  text "TOP PASTE MASK" at 136.8,18.418 h2.5
Bottom Paste:
  text "BOTTOM PASTE MASK" at 136.8,9.709 h2.5
Top Solder:
  text "TOP SOLDER MASK" at 136.8,22.773 h2.5
Bottom Solder:
  text "BOT SOLDER MASK" at 136.8,14.064 h2.5
Board:
  lines w0.2: 70,3 70,42 ccw(c67,42) 67,45 62,45 3.414,45 ccw(c3.414,41.586) 0,41.586 0,3.414 ccw(c3.414,3.414) 3.414,0 7,0 62,0 66.586,0 ccw(c66.586,3.414) 70,3.414
  text "BOARD OUTLINE" at 136.8,5.355 h2.5
Route Tool Path:
  text "ROUTE TOOL PATH - 100 MIL ROUTER" at 136.8,1 h2.5

## Text inside footprints (layer, text, board x,y; h text height)
J1: Top Overlay "3V3" at 53.891,7.622 h1.2
LED1: Top Overlay "3V3" at 57.378,3.091 h1.2 r90
U1: Top Overlay "*" at 47.766,38.146 h1.27; Mechanical 13 "*" at 49.468,37.765 h1.27